# KiCad board jetson-nano-baseboard.kicad_pcb (continued)
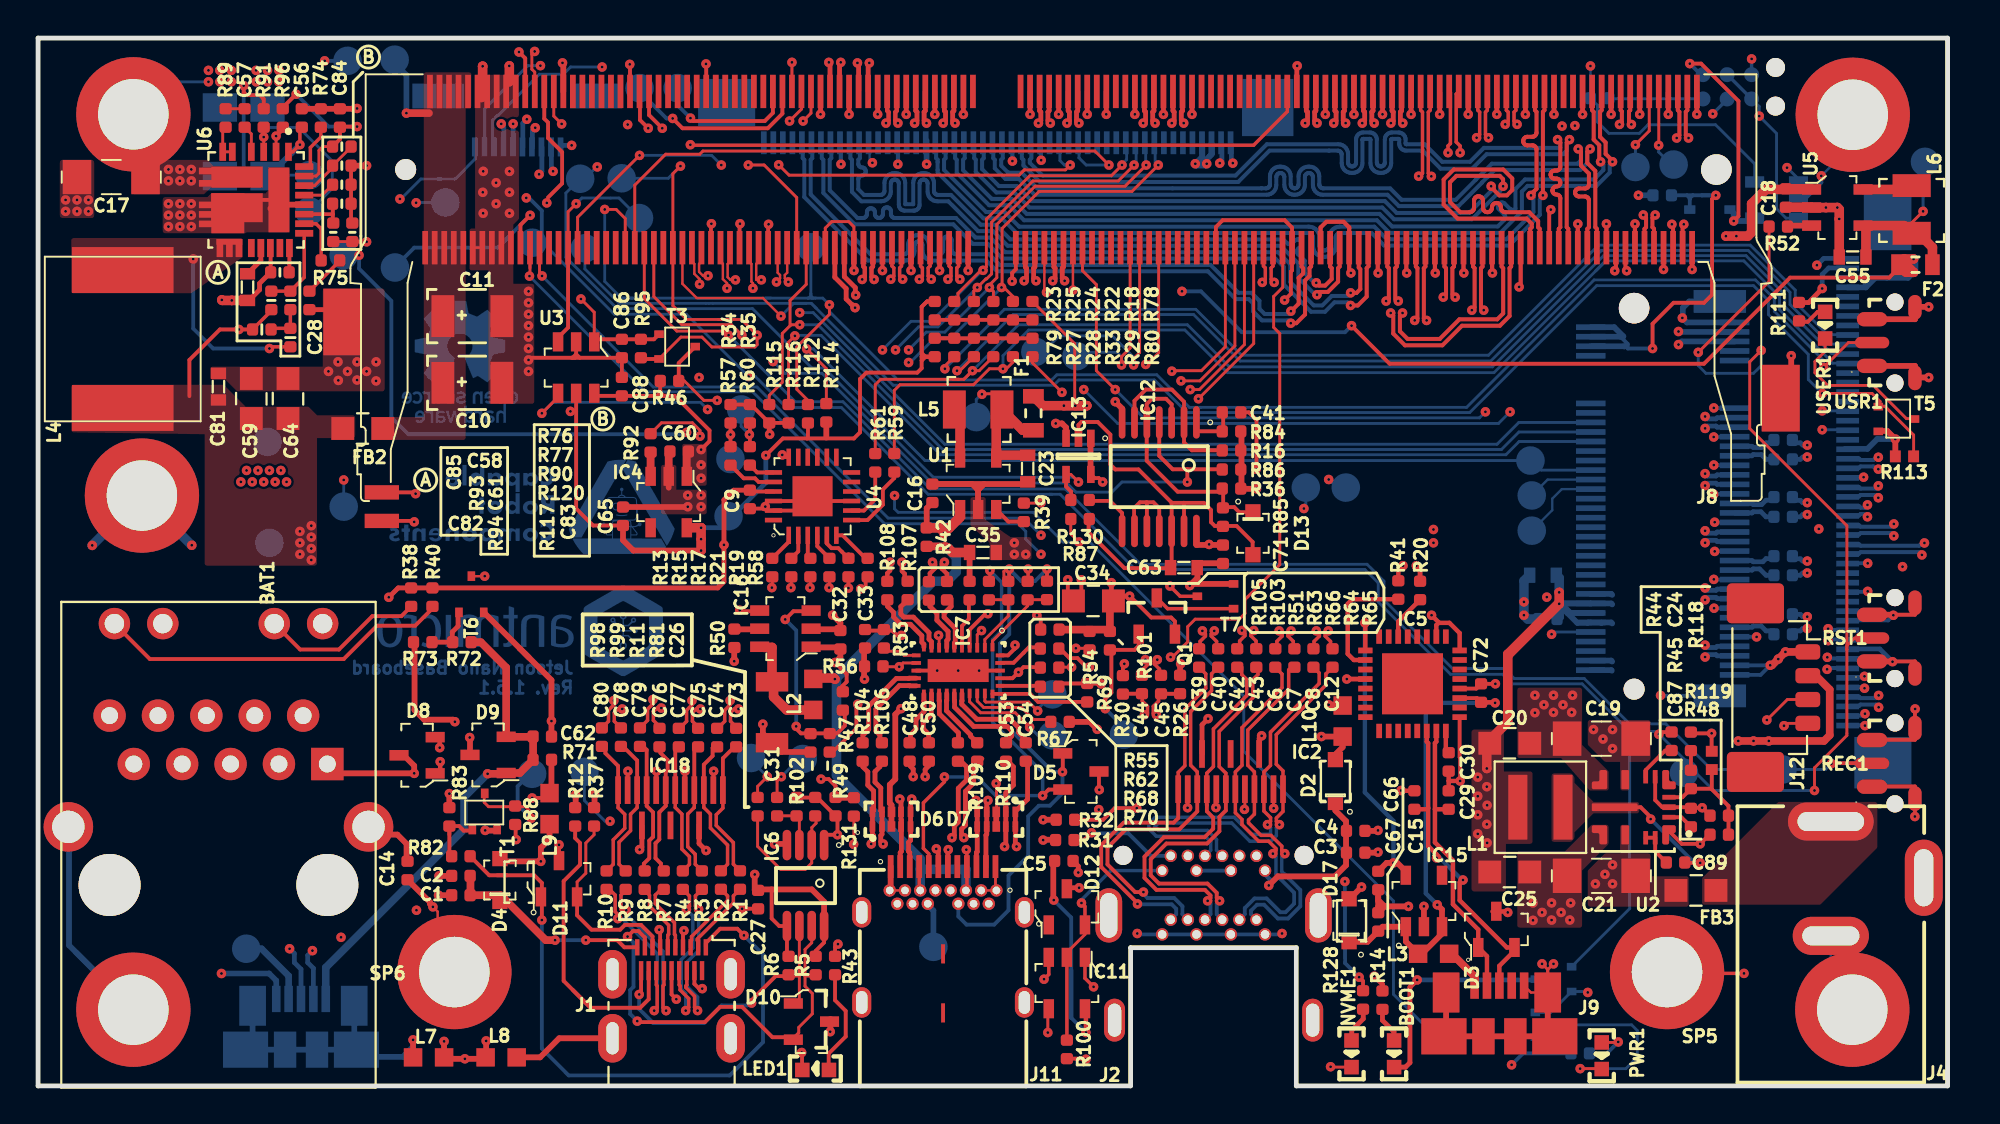
[diagram p0: board, top side]
## Routing (per net, layer and track width the routed paths; a pad name or vN(x,y) marks a point on that pad's centre or on a via; arc(x,y) is an arc through that point) (continued)
/CSI/CSI_G_CLK_N: length 37.3
  Top w0.21: v1(67.13,41.53) 67.28,41.67 67.7,41.67 68.24,42.21 68.24,42.93 68.32,43.01 M1.76
  Bottom w0.21: v1(67.13,41.53) 67.04,41.53 66.15,42.42 66.15,43.17 65.22,44.1 50.89,44.1 50.12,44.87 49.34,44.87 47.78,46.43 47.2,46.43 47.09,46.45 46.98,46.48 46.88,46.55 46.8,46.63 46.74,46.72 46.7,46.83 46.69,46.95 46.69,47.37 46.68,47.41 46.67,47.46 46.64,47.5 46.61,47.53 46.57,47.55 46.53,47.57 46.48,47.58 46.43,47.57 46.39,47.55 46.35,47.53 46.32,47.5 46.29,47.46 46.27,47.41 46.27,47.37 46.27,46.25 46.26,46.18 46.24,46.12 46.2,46.06 46.15,46.01 46.09,45.97 46.03,45.95 45.96,45.94 45.49,45.94 45.42,45.95 45.36,45.97 45.3,46.01 45.25,46.06 45.21,46.12 45.19,46.18 45.18,46.25 45.18,47.37 45.17,47.41 45.16,47.46 45.13,47.5 45.1,47.53 45.06,47.55 45.02,47.57 44.97,47.58 44.92,47.57 44.88,47.55 44.84,47.53 44.81,47.5 44.78,47.46 44.76,47.41 44.76,47.37 44.76,46.95 44.75,46.83 44.71,46.72 44.65,46.63 44.57,46.55 44.47,46.48 44.36,46.45 44.25,46.43 43.21,46.43 42.72,46.93 42.72,48.62 42.64,48.7 42.64,49.42
/CSI/CSI_G_CLK_P: length 37.3
  Top w0.21: v1(67.09,42.16) 67.24,42.01 67.56,42.01 67.9,42.35 67.9,42.93 67.82,43.01 M1.78
  Bottom w0.21: 45.93,47.41 45.93,46.28 45.51,46.28 45.51,47.41 ; 45.93,47.4 45.95,47.51 45.99,47.62 46.05,47.72 46.13,47.8 46.22,47.86 46.33,47.9 46.45,47.91 46.51,47.91 46.62,47.9 46.73,47.86 46.83,47.8 46.91,47.72 46.97,47.62 47.01,47.51 47.02,47.4 47.02,46.98 47.03,46.93 47.05,46.89 47.07,46.85 47.1,46.81 47.14,46.79 47.19,46.77 47.23,46.77 47.91,46.77 49.48,45.2 50.26,45.2 51.03,44.43 65.36,44.43 65.55,44.24 65.59,44.22 65.63,44.2 65.68,44.18 65.72,44.18 65.77,44.2 65.81,44.22 65.85,44.24 65.97,44.37 66.01,44.4 66.05,44.42 66.1,44.43 66.15,44.43 66.19,44.42 66.23,44.4 66.27,44.37 66.3,44.34 66.32,44.29 66.33,44.25 66.33,44.2 66.32,44.15 66.3,44.11 66.27,44.08 66.14,43.95 66.12,43.91 66.09,43.87 66.08,43.82 66.08,43.78 66.09,43.73 66.12,43.69 66.14,43.65 66.48,43.31 66.48,42.66 66.99,42.16 v1(67.09,42.16) ; 43.14,49.42 43.14,48.7 43.05,48.62 43.05,48.41 43.06,48.36 43.07,48.32 43.1,48.28 43.13,48.25 43.16,48.23 43.2,48.22 43.29,48.21 43.33,48.19 43.37,48.17 43.4,48.14 43.42,48.1 43.44,48.06 43.44,48.02 43.44,47.99 43.44,47.94 43.42,47.9 43.4,47.86 43.37,47.83 43.33,47.81 43.29,47.8 43.2,47.79 43.16,47.77 43.13,47.75 43.1,47.72 43.07,47.68 43.06,47.64 43.05,47.6 43.05,47.07 43.35,46.77 44.21,46.77 44.26,46.77 44.31,46.79 44.35,46.81 44.38,46.85 44.4,46.89 44.42,46.93 44.42,46.98 44.42,47.4 44.44,47.51 44.48,47.62 44.54,47.72 44.62,47.8 44.71,47.86 44.82,47.9 44.94,47.91 45,47.91 45.11,47.9 45.22,47.86 45.32,47.8 45.4,47.72 45.46,47.62 45.5,47.51 45.51,47.4
/CSI/CSI_G_D0_N: length 37.3
  Top w0.21: v1(68.89,40.97) 69.27,40.97 69.74,41.43 69.74,42.93 69.83,43.02 69.83,43.3 69.82,43.32 M1.70
  Bottom w0.21: v1(68.89,40.97) 68.73,41.13 68.04,41.13 67.55,40.63 66.82,40.63 65.39,42.06 65.39,42.98 64.95,43.43 50.61,43.43 49.84,44.2 49.06,44.2 48.04,45.22 42.86,45.22 41.22,46.87 41.22,48.62 41.14,48.7 41.14,49.42
/CSI/CSI_G_D0_P: length 37.3
  Top w0.21: v1(68.89,41.63) 69.2,41.63 69.4,41.83 69.4,42.87 69.32,42.95 M1.72
  Bottom w0.21: 41.64,49.42 41.64,48.7 41.55,48.62 41.55,47.01 43,45.56 43.29,45.56 43.34,45.56 43.39,45.58 43.43,45.6 43.46,45.64 43.48,45.68 43.5,45.72 43.5,45.77 43.5,45.86 43.51,45.9 43.52,45.95 43.55,45.99 43.58,46.02 43.62,46.05 43.67,46.06 43.71,46.07 43.76,46.06 43.81,46.05 43.85,46.02 43.88,45.99 43.9,45.95 43.92,45.9 43.92,45.86 43.92,45.77 43.93,45.72 43.94,45.68 43.97,45.64 44,45.6 44.04,45.58 44.09,45.56 44.13,45.56 44.18,45.56 44.23,45.58 44.27,45.6 44.3,45.64 44.32,45.68 44.34,45.72 44.34,45.77 44.34,45.91 44.35,45.95 44.36,46 44.39,46.04 44.42,46.07 44.46,46.1 44.51,46.11 44.55,46.12 44.6,46.11 44.65,46.1 44.69,46.07 44.72,46.04 44.74,46 44.76,45.95 44.76,45.91 44.76,45.77 44.77,45.72 44.78,45.68 44.81,45.64 44.84,45.6 44.88,45.58 44.93,45.56 44.97,45.56 48.18,45.56 49.2,44.53 49.98,44.53 50.75,43.76 65.08,43.76 65.72,43.12 65.72,42.2 66.95,40.97 67.41,40.97 67.9,41.46 68.73,41.46 v1(68.89,41.63)
/CSI/CSI_G_D1_N: length 37.3
  Top w0.21: v1(65.75,40.03) 66.04,40.03 66.5,40.49 66.5,42.28 66.74,42.51 66.74,42.93 66.82,43.01 M1.82
  Bottom w0.21: v1(65.75,40.03) 65.6,40.18 64.24,40.18 63.77,40.65 63.77,41.07 63.55,41.3 62.86,41.3 61.4,42.76 50.34,42.76 49.77,43.32 46.94,43.32 46.82,43.33 46.71,43.37 46.62,43.43 46.53,43.51 46.47,43.61 46.43,43.72 46.42,43.83 46.42,44.11 46.42,44.16 46.4,44.21 46.38,44.25 46.34,44.28 46.3,44.3 46.26,44.32 46.21,44.32 46.17,44.32 46.12,44.3 46.08,44.28 46.05,44.25 46.02,44.21 46.01,44.16 46,44.11 46,43.83 45.99,43.72 45.95,43.61 45.89,43.51 45.81,43.43 45.71,43.37 45.6,43.33 45.49,43.32 45.46,43.32 43.55,43.32 40.22,46.65 40.22,48.62 40.14,48.7 40.14,49.42
/CSI/CSI_G_D1_P: length 37.3
  Top w0.21: v1(65.76,40.67) 65.76,40.66 66.17,41.06 66.17,42.42 66.4,42.65 66.4,42.93 66.32,43.01 M1.84
  Bottom w0.21: v1(65.76,40.67) 65.61,40.52 64.38,40.52 64.11,40.79 64.11,41.21 63.69,41.63 63,41.63 61.54,43.09 50.48,43.09 49.91,43.66 48.18,43.66 48.13,43.66 48.08,43.68 48.04,43.71 48.01,43.74 47.98,43.78 47.96,43.83 47.96,43.88 47.96,44.36 47.95,44.41 47.93,44.46 47.91,44.51 47.87,44.54 47.83,44.57 47.78,44.58 47.73,44.59 47.68,44.58 47.63,44.57 47.59,44.54 47.56,44.51 47.53,44.46 47.51,44.41 47.51,44.36 47.51,43.88 47.5,43.83 47.48,43.78 47.46,43.74 47.42,43.71 47.38,43.68 47.33,43.66 47.28,43.66 46.97,43.66 46.92,43.66 46.88,43.68 46.84,43.7 46.8,43.74 46.78,43.78 46.76,43.82 46.76,43.87 46.76,44.15 46.74,44.26 46.71,44.37 46.64,44.47 46.56,44.55 46.47,44.61 46.36,44.65 46.24,44.66 46.18,44.66 46.07,44.65 45.96,44.61 45.86,44.55 45.78,44.47 45.72,44.37 45.68,44.26 45.67,44.15 45.67,43.87 45.66,43.82 45.65,43.78 45.62,43.74 45.59,43.7 45.55,43.68 45.5,43.66 45.46,43.66 43.69,43.66 40.55,46.79 40.55,48.62 40.64,48.7 40.64,49.42
/Display/DP_CEC: length 8.1
  Top w0.2: v1(57.67,14.58) 56.51,14.58 55.9,13.97 54.4,13.97
  In2_SINGAL.Cu w0.2: J2.6 60.35,12.25 60,12.6 58.5,12.6 57.67,13.43 v1(57.67,14.58)
  Bottom w0.2: 60.28,12.15 J2.6
/Display/DP_HPD: length 49.5
  Top w0.15: 59.99,22.95 60.14,23.11 ; 60.14,23.11 60.34,23.31 60.34,24.11 60.74,24.5 63.05,24.5 63.35,24.8 63.35,25.53 63.5,25.67 63.5,25.68 65.17,27.36 65.17,39.5 64.85,39.82 64.85,41.44 65.33,41.92 65.33,43.99 M1.88 ; 60.14,23.11 59.54,22.51 v1(59.44,22.51) ; v1(53,2.8) 53,4 IC11.4
  In2_SINGAL.Cu w0.15: v1(53,2.8) 54.04,3.84 54.04,15.91 56.59,18.46 56.59,19.3 59.44,22.15 v1(59.44,22.51)
/Display/DP_HPD_IN: length 12.8
  Top w0.15: IC11.2 54,7 54.95,7.95 D12.2
  Top w0.18: IC11.2 R100.2 ; v1(54.77,9.6) 54.95,9.42 D12.2
  In2_SINGAL.Cu w0.2: 58.93,11.37 J2.2
  Bottom w0.18: J2.2 56.3,11.3 54.77,9.77 v1(54.77,9.6)
/Display/DP_MODE: length 5.7
  Top w0.2: 54.4,12.92 54.93,12.92 v1(55.29,13.28)
  Bottom w0.2: v1(55.29,13.28) 55.32,13.26 57.22,13.26 58.41,12.08 J2.4
/Display/EDP0_TX_N: length 40.9
  Top w0.18: 61.86,22.94 61.86,23.33 61.58,23.61 61.58,23.72 v1(61.74,23.88) ; M1.39 77.57,51.21 77.47,51.12 77.47,50.63 v1(77.63,50.47)
  In2_SINGAL.Cu w0.125: v1(61.74,23.88) 61.55,24.07 61.55,24.38 65.67,28.5 65.67,38.38 66.51,39.22 66.51,46.85 69.44,49.78 72.12,49.78 72.6,50.26 76.58,50.26 76.8,50.04 77.19,50.04 77.63,50.47 v1(77.63,50.47)
/Display/EDP0_TX_P: length 40.9
  Top w0.18: 60.99,22.94 60.99,23.33 61.27,23.61 61.27,23.72 v1(61.11,23.88) ; v1(77.01,50.47) 77.17,50.63 77.17,51.12 77.07,51.21 77.07,52.2
  In2_SINGAL.Cu w0.125: v1(77.01,50.47) 76.97,50.51 76.25,50.51 76.2,50.51 76.16,50.53 76.12,50.55 76.09,50.58 76.06,50.62 76.05,50.66 76.05,50.71 76.05,50.71 76.04,50.76 76.03,50.8 76,50.84 75.97,50.87 75.93,50.89 75.89,50.91 75.85,50.91 75.8,50.91 75.76,50.89 75.72,50.87 75.69,50.84 75.66,50.8 75.65,50.76 75.65,50.71 75.65,50.71 75.64,50.66 75.63,50.62 75.6,50.58 75.57,50.55 75.53,50.53 75.49,50.51 75.45,50.51 72.49,50.51 72.01,50.03 69.32,50.03 66.26,46.98 66.26,39.33 65.42,38.48 65.42,28.6 61.3,24.48 61.3,24.07 v1(61.11,23.88)
/Display/EDP1_TX_N: length 40.9
  Top w0.18: v1(63.81,23.9) 63.65,23.74 63.65,23.63 63.93,23.35 63.93,22.96 ; 76.07,52.2 76.07,51.21 75.97,51.12 75.97,49.93 v1(76.13,49.77)
  In2_SINGAL.Cu w0.125: v1(76.13,49.77) 75.69,49.33 75.32,49.33 75.14,49.52 72.96,49.52 72.51,49.08 69.6,49.08 67.82,47.29 67.82,45.76 67.81,45.68 67.78,45.6 67.74,45.54 67.68,45.48 67.62,45.44 67.54,45.41 67.47,45.4 67.32,45.4 67.29,45.4 67.26,45.39 67.24,45.38 67.22,45.36 67.21,45.33 67.2,45.31 67.19,45.28 67.19,45.23 67.2,45.2 67.21,45.17 67.22,45.15 67.24,45.13 67.26,45.12 67.29,45.11 67.32,45.1 67.47,45.1 67.54,45.1 67.62,45.07 67.68,45.03 67.74,44.97 67.78,44.91 67.81,44.83 67.82,44.75 67.82,44.66 67.81,44.58 67.78,44.5 67.74,44.44 67.68,44.38 67.62,44.34 67.54,44.31 67.47,44.3 67.32,44.3 67.29,44.3 67.26,44.29 67.24,44.28 67.22,44.26 67.21,44.23 67.2,44.21 67.19,44.18 67.19,44.13 67.2,44.1 67.21,44.07 67.22,44.05 67.24,44.03 67.26,44.02 67.29,44.01 67.32,44 67.47,44 67.54,44 67.62,43.97 67.68,43.93 67.74,43.87 67.78,43.81 67.81,43.73 67.82,43.65 67.82,43.56 67.81,43.48 67.78,43.4 67.74,43.34 67.68,43.28 67.62,43.24 67.54,43.21 67.47,43.2 67.32,43.2 67.29,43.2 67.26,43.19 67.24,43.18 67.22,43.16 67.21,43.13 67.2,43.11 67.19,43.08 67.19,43.03 67.2,43 67.21,42.97 67.22,42.95 67.24,42.93 67.26,42.92 67.29,42.91 67.32,42.9 67.47,42.9 67.54,42.9 67.62,42.87 67.68,42.83 67.74,42.77 67.78,42.71 67.81,42.63 67.82,42.55 67.82,39.2 67.17,38.55 67.17,28.15 63.62,24.61 63.62,24.09 v1(63.81,23.9)
/Display/EDP1_TX_P: length 40.9
  Top w0.18: 63.07,22.96 63.07,23.35 63.35,23.63 63.35,23.74 v1(63.19,23.9) ; 75.57,52.2 75.57,51.21 75.67,51.12 75.67,49.93 v1(75.51,49.77)
  In2_SINGAL.Cu w0.125: v1(63.19,23.9) 63.37,24.09 63.37,24.71 66.92,28.26 66.92,38.65 67.57,39.3 67.57,42.53 67.56,42.56 67.55,42.58 67.54,42.61 67.52,42.63 67.5,42.64 67.47,42.65 67.44,42.65 67.3,42.65 67.22,42.66 67.14,42.69 67.08,42.73 67.02,42.79 66.98,42.85 66.95,42.93 66.94,43.01 66.94,43.1 66.95,43.18 66.98,43.26 67.02,43.32 67.08,43.38 67.14,43.42 67.22,43.45 67.3,43.45 67.44,43.45 67.47,43.46 67.5,43.47 67.52,43.48 67.54,43.5 67.55,43.52 67.56,43.55 67.57,43.58 67.57,43.63 67.56,43.66 67.55,43.68 67.54,43.71 67.52,43.73 67.5,43.74 67.47,43.75 67.44,43.75 67.3,43.75 67.22,43.76 67.14,43.79 67.08,43.83 67.02,43.89 66.98,43.95 66.95,44.03 66.94,44.11 66.94,44.2 66.95,44.28 66.98,44.36 67.02,44.42 67.08,44.48 67.14,44.52 67.22,44.55 67.3,44.55 67.44,44.55 67.47,44.56 67.5,44.57 67.52,44.58 67.54,44.6 67.55,44.62 67.56,44.65 67.57,44.68 67.57,44.73 67.56,44.76 67.55,44.78 67.54,44.81 67.52,44.83 67.5,44.84 67.47,44.85 67.44,44.85 67.3,44.85 67.22,44.86 67.14,44.89 67.08,44.93 67.02,44.99 66.98,45.05 66.95,45.13 66.94,45.21 66.94,45.3 66.95,45.38 66.98,45.46 67.02,45.52 67.08,45.58 67.14,45.62 67.22,45.65 67.3,45.65 67.44,45.65 67.47,45.66 67.5,45.67 67.52,45.68 67.54,45.7 67.55,45.72 67.56,45.75 67.57,45.78 67.57,47.4 69.5,49.33 72.41,49.33 72.85,49.77 73.48,49.77 73.5,49.77 73.51,49.78 73.53,49.79 73.54,49.8 73.55,49.81 73.55,49.83 73.56,49.86 73.56,49.87 73.57,49.89 73.58,49.9 73.6,49.91 73.61,49.91 73.63,49.91 73.73,49.91 73.75,49.91 73.76,49.91 73.78,49.9 73.79,49.89 73.8,49.87 73.8,49.86 73.81,49.83 73.81,49.81 73.82,49.8 73.83,49.79 73.85,49.78 73.86,49.77 73.88,49.77 73.98,49.77 74,49.77 74.01,49.78 74.03,49.79 74.04,49.8 74.05,49.81 74.05,49.83 74.06,49.86 74.06,49.87 74.07,49.89 74.08,49.9 74.1,49.91 74.11,49.91 74.13,49.91 74.23,49.91 74.25,49.91 74.26,49.91 74.28,49.9 74.29,49.89 74.3,49.87 74.3,49.86 74.31,49.83 74.31,49.81 74.32,49.8 74.33,49.79 74.35,49.78 74.36,49.77 74.38,49.77 74.48,49.77 74.5,49.77 74.51,49.78 74.53,49.79 74.54,49.8 74.55,49.81 74.55,49.83 74.56,49.86 74.56,49.87 74.57,49.89 74.58,49.9 74.6,49.91 74.61,49.91 74.63,49.91 74.73,49.91 74.75,49.91 74.76,49.91 74.78,49.9 74.79,49.89 74.8,49.87 74.8,49.86 74.81,49.83 74.81,49.81 74.82,49.8 74.83,49.79 74.85,49.78 74.86,49.77 74.88,49.77 v1(75.51,49.77)
/Display/EDP2_TX_N: length 40.9
  Top w0.18: v1(65.77,23.88) 65.61,23.72 65.61,23.61 65.88,23.33 65.88,22.94 ; 74.57,52.2 74.44,52.07 74.44,49.54 74.64,49.34 v1(74.64,48.99)
  In2_SINGAL.Cu w0.125: v1(65.77,23.88) 65.58,24.07 65.58,24.77 68.44,27.63 68.44,29.63 68.43,29.72 68.4,29.8 68.35,29.88 68.29,29.94 68.22,29.99 68.13,30.01 68.04,30.02 67.89,30.02 67.86,30.03 67.82,30.04 67.79,30.06 67.76,30.09 67.74,30.12 67.73,30.16 67.72,30.19 67.72,30.2 67.73,30.24 67.74,30.28 67.76,30.31 67.79,30.34 67.82,30.36 67.86,30.37 67.89,30.37 68.04,30.37 68.13,30.38 68.22,30.41 68.29,30.46 68.35,30.52 68.4,30.6 68.43,30.68 68.44,30.77 68.44,32.46 68.43,32.54 68.4,32.62 68.36,32.69 68.3,32.75 68.23,32.8 68.15,32.82 68.06,32.83 67.91,32.83 67.88,32.84 67.85,32.85 67.82,32.87 67.8,32.89 67.78,32.92 67.77,32.95 67.76,32.98 67.76,33.03 67.77,33.07 67.78,33.1 67.8,33.13 67.82,33.15 67.85,33.17 67.88,33.18 67.91,33.18 68.06,33.18 68.15,33.19 68.23,33.22 68.3,33.27 68.36,33.33 68.4,33.4 68.43,33.48 68.44,33.56 68.44,33.66 68.43,33.74 68.4,33.82 68.36,33.89 68.3,33.95 68.23,34 68.15,34.02 68.06,34.03 67.91,34.03 67.88,34.04 67.85,34.05 67.82,34.07 67.8,34.09 67.78,34.12 67.77,34.15 67.76,34.18 67.76,34.23 67.77,34.27 67.78,34.3 67.8,34.33 67.82,34.35 67.85,34.37 67.88,34.38 67.91,34.38 68.06,34.38 68.15,34.39 68.23,34.42 68.3,34.47 68.36,34.53 68.4,34.6 68.43,34.68 68.44,34.76 68.44,34.86 68.43,34.94 68.4,35.02 68.36,35.09 68.3,35.15 68.23,35.2 68.15,35.22 68.06,35.23 67.91,35.23 67.88,35.24 67.85,35.25 67.82,35.27 67.8,35.29 67.78,35.32 67.77,35.35 67.76,35.38 67.76,35.43 67.77,35.47 67.78,35.5 67.8,35.53 67.82,35.55 67.85,35.57 67.88,35.58 67.91,35.58 68.06,35.58 68.15,35.59 68.23,35.62 68.3,35.67 68.36,35.73 68.4,35.8 68.43,35.88 68.44,35.96 68.44,36.06 68.43,36.14 68.4,36.22 68.36,36.29 68.3,36.35 68.23,36.4 68.15,36.42 68.06,36.43 67.91,36.43 67.88,36.44 67.85,36.45 67.82,36.47 67.8,36.49 67.78,36.52 67.77,36.55 67.76,36.58 67.76,36.63 67.77,36.67 67.78,36.7 67.8,36.73 67.82,36.75 67.85,36.77 67.88,36.78 67.91,36.78 68.06,36.78 68.15,36.79 68.23,36.82 68.3,36.87 68.36,36.93 68.4,37 68.43,37.08 68.44,37.16 68.44,37.26 68.43,37.34 68.4,37.42 68.36,37.49 68.3,37.55 68.23,37.6 68.15,37.62 68.06,37.63 67.91,37.63 67.88,37.64 67.85,37.65 67.82,37.67 67.8,37.69 67.78,37.72 67.77,37.75 67.76,37.78 67.76,37.83 67.77,37.87 67.78,37.9 67.8,37.93 67.82,37.95 67.85,37.97 67.88,37.98 67.91,37.98 68.06,37.98 68.15,37.99 68.23,38.02 68.3,38.07 68.36,38.13 68.4,38.2 68.43,38.28 68.44,38.36 68.44,46.29 70.65,48.5 74.15,48.5 v1(74.64,48.99)
/Display/EDP2_TX_P: length 40.9
  Top w0.18: v1(65.14,23.88) 65.3,23.72 65.3,23.61 65.02,23.33 65.02,22.94 ; v1(74.01,48.99) 74.01,49.34 74.13,49.47 74.13,52.14 74.07,52.2
  In2_SINGAL.Cu w0.125: v1(65.14,23.88) 65.33,24.07 65.33,24.87 68.19,27.73 68.19,29.6 68.19,29.64 68.17,29.68 68.15,29.71 68.13,29.74 68.09,29.76 68.06,29.77 68.02,29.77 67.87,29.77 67.78,29.78 67.7,29.81 67.62,29.86 67.56,29.92 67.51,30 67.48,30.08 67.47,30.17 67.47,30.23 67.48,30.32 67.51,30.4 67.56,30.48 67.62,30.54 67.7,30.59 67.78,30.61 67.87,30.62 68.02,30.62 68.06,30.63 68.09,30.64 68.13,30.66 68.15,30.69 68.17,30.72 68.19,30.76 68.19,30.79 68.19,32.43 68.19,32.47 68.17,32.5 68.16,32.53 68.13,32.55 68.1,32.57 68.07,32.58 68.04,32.58 67.89,32.58 67.81,32.59 67.73,32.62 67.66,32.67 67.6,32.73 67.55,32.8 67.52,32.88 67.51,32.96 67.51,33.06 67.52,33.14 67.55,33.22 67.6,33.29 67.66,33.35 67.73,33.4 67.81,33.42 67.89,33.43 68.04,33.43 68.07,33.44 68.1,33.45 68.13,33.47 68.16,33.49 68.17,33.52 68.19,33.55 68.19,33.58 68.19,33.63 68.19,33.67 68.17,33.7 68.16,33.73 68.13,33.75 68.1,33.77 68.07,33.78 68.04,33.78 67.89,33.78 67.81,33.79 67.73,33.82 67.66,33.87 67.6,33.93 67.55,34 67.52,34.08 67.51,34.16 67.51,34.26 67.52,34.34 67.55,34.42 67.6,34.49 67.66,34.55 67.73,34.6 67.81,34.62 67.89,34.63 68.04,34.63 68.07,34.64 68.1,34.65 68.13,34.67 68.16,34.69 68.17,34.72 68.19,34.75 68.19,34.78 68.19,34.83 68.19,34.87 68.17,34.9 68.16,34.93 68.13,34.95 68.1,34.97 68.07,34.98 68.04,34.98 67.89,34.98 67.81,34.99 67.73,35.02 67.66,35.07 67.6,35.13 67.55,35.2 67.52,35.28 67.51,35.36 67.51,35.46 67.52,35.54 67.55,35.62 67.6,35.69 67.66,35.75 67.73,35.8 67.81,35.82 67.89,35.83 68.04,35.83 68.07,35.84 68.1,35.85 68.13,35.87 68.16,35.89 68.17,35.92 68.19,35.95 68.19,35.98 68.19,36.03 68.19,36.07 68.17,36.1 68.16,36.13 68.13,36.15 68.1,36.17 68.07,36.18 68.04,36.18 67.89,36.18 67.81,36.19 67.73,36.22 67.66,36.27 67.6,36.33 67.55,36.4 67.52,36.48 67.51,36.56 67.51,36.66 67.52,36.74 67.55,36.82 67.6,36.89 67.66,36.95 67.73,37 67.81,37.02 67.89,37.03 68.04,37.03 68.07,37.04 68.1,37.05 68.13,37.07 68.16,37.09 68.17,37.12 68.19,37.15 68.19,37.18 68.19,37.23 68.19,37.27 68.17,37.3 68.16,37.33 68.13,37.35 68.1,37.37 68.07,37.38 68.04,37.38 67.89,37.38 67.81,37.39 67.73,37.42 67.66,37.47 67.6,37.53 67.55,37.6 67.52,37.68 67.51,37.76 67.51,37.86 67.52,37.94 67.55,38.02 67.6,38.09 67.66,38.15 67.73,38.2 67.81,38.22 67.89,38.23 68.04,38.23 68.07,38.24 68.1,38.25 68.13,38.27 68.16,38.29 68.17,38.32 68.19,38.35 68.19,38.38 68.19,46.39 70.54,48.75 72.78,48.75 72.81,48.75 72.84,48.76 72.86,48.77 72.88,48.79 72.89,48.82 72.9,48.84 72.91,48.87 72.91,48.92 72.91,48.95 72.92,48.98 72.93,49 72.95,49.02 72.98,49.03 73,49.04 73.03,49.05 73.06,49.04 73.09,49.03 73.11,49.02 73.13,49 73.14,48.98 73.15,48.95 73.16,48.92 73.16,48.87 73.16,48.84 73.17,48.82 73.18,48.79 73.2,48.77 73.23,48.76 73.25,48.75 73.28,48.75 73.47,48.75 73.7,48.98 74,48.98 v1(74.01,48.99)
/Display/EDP3_TX_N: length 40.9
  Top w0.18: M1.57 73.07,51.21 72.97,51.12 72.97,47.9 v1(73.13,47.74) ; v1(67.72,23.88) 67.56,23.72 67.56,23.61 67.84,23.33 67.84,22.94
  In2_SINGAL.Cu w0.125: v1(73.13,47.74) 73.12,47.74 72.69,47.31 72.32,47.31 72.32,47.31 72.28,47.31 72.1,47.49 71.35,47.49 69.79,45.93 69.79,37.29 69.8,37.25 69.81,37.21 69.83,37.18 69.86,37.15 69.89,37.13 69.93,37.12 69.97,37.11 70.3,37.11 70.39,37.1 70.47,37.07 70.55,37.02 70.61,36.96 70.66,36.88 70.69,36.8 70.7,36.71 70.7,36.66 70.69,36.57 70.66,36.49 70.61,36.41 70.55,36.35 70.47,36.3 70.39,36.27 70.3,36.26 69.97,36.26 69.93,36.26 69.89,36.24 69.86,36.22 69.83,36.2 69.81,36.16 69.8,36.13 69.79,36.09 69.8,36.05 69.81,36.01 69.83,35.98 69.86,35.95 69.89,35.93 69.93,35.92 69.97,35.91 70.3,35.91 70.39,35.9 70.47,35.87 70.55,35.82 70.61,35.76 70.66,35.68 70.69,35.6 70.7,35.51 70.7,35.46 70.69,35.37 70.66,35.29 70.61,35.21 70.55,35.15 70.47,35.1 70.39,35.07 70.3,35.06 69.97,35.06 69.93,35.06 69.89,35.04 69.86,35.02 69.83,35 69.81,34.96 69.8,34.93 69.79,34.89 69.8,34.85 69.81,34.81 69.83,34.78 69.86,34.75 69.89,34.73 69.93,34.72 69.97,34.71 70.3,34.71 70.39,34.7 70.47,34.67 70.55,34.62 70.61,34.56 70.66,34.48 70.69,34.4 70.7,34.31 70.7,34.26 70.69,34.17 70.66,34.09 70.61,34.01 70.55,33.95 70.47,33.9 70.39,33.87 70.3,33.86 69.97,33.86 69.93,33.86 69.89,33.84 69.86,33.82 69.83,33.8 69.81,33.76 69.8,33.73 69.79,33.69 69.8,33.65 69.81,33.61 69.83,33.58 69.86,33.55 69.89,33.53 69.93,33.52 69.97,33.51 70.3,33.51 70.39,33.5 70.47,33.47 70.55,33.42 70.61,33.36 70.66,33.28 70.69,33.2 70.7,33.11 70.7,33.06 70.69,32.97 70.66,32.89 70.61,32.81 70.55,32.75 70.47,32.7 70.39,32.67 70.3,32.66 69.97,32.66 69.93,32.66 69.89,32.64 69.86,32.62 69.83,32.6 69.81,32.56 69.8,32.53 69.79,32.49 69.8,32.45 69.81,32.41 69.83,32.38 69.86,32.35 69.89,32.33 69.93,32.32 69.97,32.31 70.3,32.31 70.39,32.3 70.47,32.27 70.55,32.22 70.61,32.16 70.66,32.08 70.69,32 70.7,31.91 70.7,31.86 70.69,31.77 70.66,31.69 70.61,31.61 70.55,31.55 70.47,31.5 70.39,31.47 70.3,31.46 69.97,31.46 69.93,31.46 69.89,31.44 69.86,31.42 69.83,31.4 69.81,31.36 69.8,31.33 69.79,31.29 69.8,31.25 69.81,31.21 69.83,31.18 69.86,31.15 69.89,31.13 69.93,31.12 69.97,31.11 70.3,31.11 70.39,31.1 70.47,31.07 70.55,31.02 70.61,30.96 70.66,30.88 70.69,30.8 70.7,30.71 70.7,30.66 70.69,30.57 70.66,30.49 70.61,30.41 70.55,30.35 70.47,30.3 70.39,30.27 70.3,30.26 69.97,30.26 69.93,30.26 69.89,30.24 69.86,30.22 69.83,30.2 69.81,30.16 69.8,30.13 69.79,30.09 69.79,27.28 67.53,25.02 67.53,24.07 v1(67.72,23.88)
/Display/EDP3_TX_P: length 40.9
  Top w0.18: v1(72.46,47.75) 72.5,47.75 72.51,47.74 72.67,47.9 72.67,51.12 72.57,51.21 72.57,52.2 ; v1(67.09,23.88) 67.25,23.72 67.25,23.61 66.97,23.33 66.97,22.94
  In2_SINGAL.Cu w0.125: v1(67.09,23.88) 67.28,24.07 67.28,25.12 69.54,27.38 69.54,30.11 69.55,30.2 69.58,30.28 69.63,30.36 69.69,30.42 69.77,30.47 69.85,30.5 69.94,30.51 70.27,30.51 70.31,30.52 70.35,30.53 70.38,30.55 70.41,30.58 70.43,30.61 70.44,30.65 70.45,30.69 70.44,30.73 70.43,30.76 70.41,30.8 70.38,30.82 70.35,30.84 70.31,30.86 70.27,30.86 69.94,30.86 69.85,30.87 69.77,30.9 69.69,30.95 69.63,31.01 69.58,31.09 69.55,31.17 69.54,31.26 69.54,31.31 69.55,31.4 69.58,31.48 69.63,31.56 69.69,31.62 69.77,31.67 69.85,31.7 69.94,31.71 70.27,31.71 70.31,31.72 70.35,31.73 70.38,31.75 70.41,31.78 70.43,31.81 70.44,31.85 70.45,31.89 70.44,31.93 70.43,31.96 70.41,32 70.38,32.02 70.35,32.04 70.31,32.06 70.27,32.06 69.94,32.06 69.85,32.07 69.77,32.1 69.69,32.15 69.63,32.21 69.58,32.29 69.55,32.37 69.54,32.46 69.54,32.51 69.55,32.6 69.58,32.68 69.63,32.76 69.69,32.82 69.77,32.87 69.85,32.9 69.94,32.91 70.27,32.91 70.31,32.92 70.35,32.93 70.38,32.95 70.41,32.98 70.43,33.01 70.44,33.05 70.45,33.09 70.44,33.13 70.43,33.16 70.41,33.2 70.38,33.22 70.35,33.24 70.31,33.26 70.27,33.26 69.94,33.26 69.85,33.27 69.77,33.3 69.69,33.35 69.63,33.41 69.58,33.49 69.55,33.57 69.54,33.66 69.54,33.71 69.55,33.8 69.58,33.88 69.63,33.96 69.69,34.02 69.77,34.07 69.85,34.1 69.94,34.11 70.27,34.11 70.31,34.12 70.35,34.13 70.38,34.15 70.41,34.18 70.43,34.21 70.44,34.25 70.45,34.29 70.44,34.33 70.43,34.36 70.41,34.4 70.38,34.42 70.35,34.44 70.31,34.46 70.27,34.46 69.94,34.46 69.85,34.47 69.77,34.5 69.69,34.55 69.63,34.61 69.58,34.69 69.55,34.77 69.54,34.86 69.54,34.91 69.55,35 69.58,35.08 69.63,35.16 69.69,35.22 69.77,35.27 69.85,35.3 69.94,35.31 70.27,35.31 70.31,35.32 70.35,35.33 70.38,35.35 70.41,35.38 70.43,35.41 70.44,35.45 70.45,35.49 70.44,35.53 70.43,35.56 70.41,35.6 70.38,35.62 70.35,35.64 70.31,35.66 70.27,35.66 69.94,35.66 69.85,35.67 69.77,35.7 69.69,35.75 69.63,35.81 69.58,35.89 69.55,35.97 69.54,36.06 69.54,36.11 69.55,36.2 69.58,36.28 69.63,36.36 69.69,36.42 69.77,36.47 69.85,36.5 69.94,36.51 70.27,36.51 70.31,36.52 70.35,36.53 70.38,36.55 70.41,36.58 70.43,36.61 70.44,36.65 70.45,36.69 70.44,36.73 70.43,36.76 70.41,36.8 70.38,36.82 70.35,36.84 70.31,36.86 70.27,36.86 69.94,36.86 69.85,36.87 69.77,36.9 69.69,36.95 69.63,37.01 69.58,37.09 69.55,37.17 69.54,37.26 69.54,46.05 71.24,47.74 71.3,47.74 71.34,47.75 71.37,47.76 71.4,47.78 71.42,47.8 71.44,47.83 71.45,47.86 71.45,47.89 71.45,47.91 71.46,47.94 71.47,47.97 71.49,48 71.51,48.03 71.54,48.04 71.57,48.06 71.6,48.06 71.64,48.06 71.67,48.04 71.7,48.03 71.72,48 71.74,47.97 71.75,47.94 71.75,47.91 71.75,47.89 71.76,47.86 71.77,47.83 71.79,47.8 71.81,47.78 71.84,47.76 71.87,47.75 71.9,47.74 72.51,47.74 72.5,47.75 v1(72.46,47.75)
/Display/EDP_AUX_N: length 40.9
  Top w0.18: v1(64.88,42.18) 64.72,42.34 64.72,42.94 64.82,43.03 M1.90 ; 58.86,21.5 58.86,21.88 58.59,22.15 58.59,22.28 58.68,22.37 v1(58.75,22.37)
  In2_SINGAL.Cu w0.125: v1(58.75,22.37) 58.56,22.56 58.56,23.19 64.69,29.32 64.69,32.93 64.68,33.02 64.65,33.11 64.61,33.18 64.54,33.25 64.47,33.29 64.38,33.32 64.29,33.33 63.52,33.33 63.48,33.34 63.45,33.35 63.41,33.37 63.39,33.4 63.37,33.43 63.35,33.47 63.35,33.51 63.35,33.55 63.37,33.58 63.39,33.62 63.41,33.64 63.45,33.67 63.48,33.68 63.52,33.68 64.29,33.68 64.38,33.69 64.47,33.72 64.54,33.77 64.61,33.83 64.65,33.91 64.68,33.99 64.69,34.08 64.69,34.13 64.68,34.22 64.65,34.31 64.61,34.38 64.54,34.45 64.47,34.49 64.38,34.52 64.29,34.53 63.52,34.53 63.48,34.54 63.45,34.55 63.41,34.57 63.39,34.6 63.37,34.63 63.35,34.67 63.35,34.71 63.35,34.75 63.37,34.78 63.39,34.82 63.41,34.84 63.45,34.87 63.48,34.88 63.52,34.88 64.29,34.88 64.38,34.89 64.47,34.92 64.54,34.97 64.61,35.03 64.65,35.11 64.68,35.19 64.69,35.28 64.69,35.33 64.68,35.42 64.65,35.51 64.61,35.58 64.54,35.65 64.47,35.69 64.38,35.72 64.29,35.73 63.52,35.73 63.48,35.74 63.45,35.75 63.41,35.77 63.39,35.8 63.37,35.83 63.35,35.87 63.35,35.91 63.35,35.95 63.37,35.98 63.39,36.02 63.41,36.04 63.45,36.07 63.48,36.08 63.52,36.08 64.29,36.08 64.38,36.09 64.47,36.12 64.54,36.17 64.61,36.23 64.65,36.31 64.68,36.39 64.69,36.48 64.69,36.53 64.68,36.62 64.65,36.71 64.61,36.78 64.54,36.85 64.47,36.89 64.38,36.92 64.29,36.93 63.52,36.93 63.48,36.94 63.45,36.95 63.41,36.97 63.39,37 63.37,37.03 63.35,37.07 63.35,37.11 63.35,37.15 63.37,37.18 63.39,37.22 63.41,37.24 63.45,37.27 63.48,37.28 63.52,37.28 64.29,37.28 64.38,37.29 64.47,37.32 64.54,37.37 64.61,37.43 64.65,37.51 64.68,37.59 64.69,37.68 64.69,37.73 64.68,37.82 64.65,37.91 64.61,37.98 64.54,38.05 64.47,38.09 64.38,38.12 64.29,38.13 63.52,38.13 63.48,38.14 63.45,38.15 63.41,38.17 63.39,38.2 63.37,38.23 63.35,38.27 63.35,38.31 63.35,38.35 63.37,38.38 63.39,38.42 63.41,38.44 63.45,38.47 63.48,38.48 63.52,38.48 64.29,38.48 64.38,38.49 64.47,38.52 64.54,38.57 64.61,38.63 64.65,38.71 64.68,38.79 64.69,38.88 64.69,38.93 64.68,39.02 64.65,39.11 64.61,39.18 64.54,39.25 64.47,39.29 64.38,39.32 64.29,39.33 63.52,39.33 63.48,39.34 63.45,39.35 63.41,39.37 63.39,39.4 63.37,39.43 63.35,39.47 63.35,39.51 63.35,39.55 63.37,39.58 63.39,39.62 63.41,39.64 63.45,39.67 63.48,39.68 63.52,39.68 64.29,39.68 64.38,39.69 64.47,39.72 64.54,39.77 64.61,39.83 64.65,39.91 64.68,39.99 64.69,40.08 64.69,40.13 64.68,40.22 64.65,40.31 64.61,40.38 64.54,40.45 64.47,40.49 64.38,40.52 64.29,40.53 63.52,40.53 63.48,40.54 63.45,40.55 63.41,40.57 63.39,40.6 63.37,40.63 63.35,40.67 63.35,40.71 63.35,40.75 63.37,40.78 63.39,40.82 63.41,40.84 63.45,40.87 63.48,40.88 63.52,40.88 64.29,40.88 64.38,40.89 64.47,40.92 64.54,40.97 64.61,41.03 64.65,41.11 64.68,41.19 64.69,41.28 64.69,41.99 v1(64.88,42.18)
